# Altium PCB BLDC_DRIVER_1.2_AR.PcbDoc (part 2 of 3) (continued)
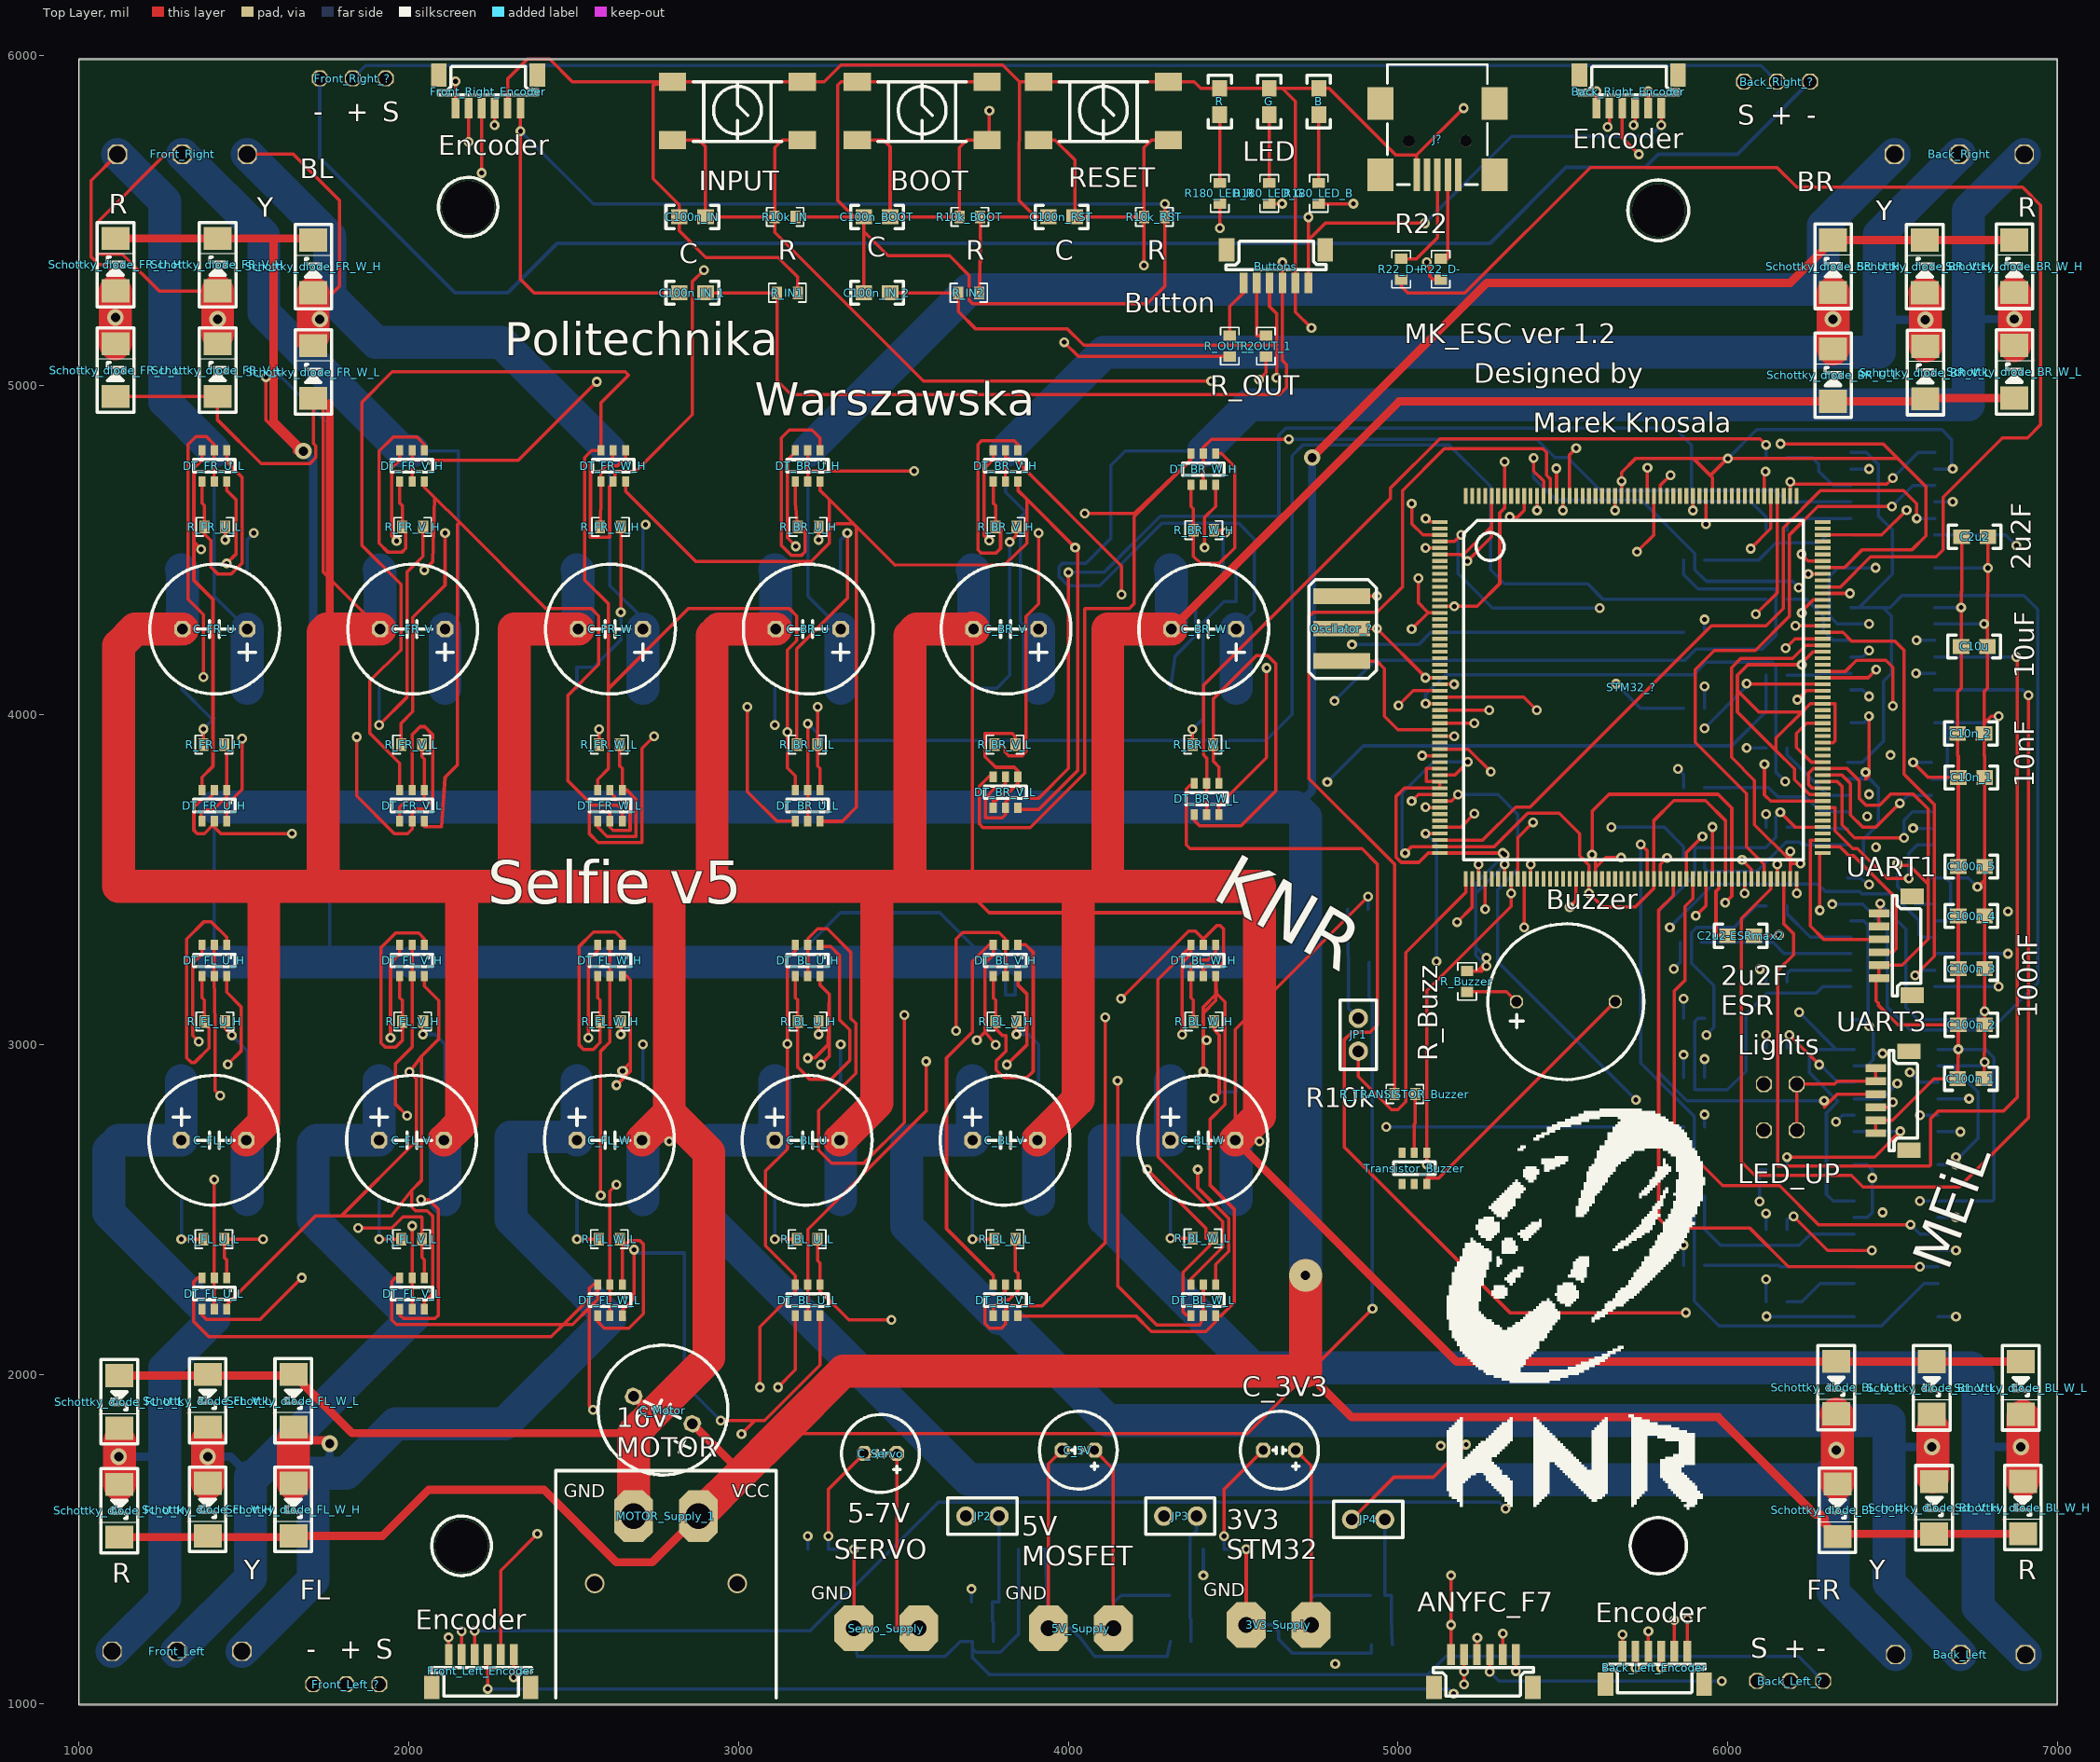
[diagram p0: Top Layer view]
## Nets (pads, with @x,y where several pads share a name; then routed paths per layer and width w, separated by ;. In a path a pad name is that pad's centre, name@x,y a point inside that pad or via, vN(x,y) a via of type N, cw(c..) or ccw(c..) an arc to the next point about the centre after c; other vN are vias at no path point) (continued)
  Signal Layer 2 w12: v1(6156,3332) 6304,3480 6304,4240 6294,4250 6294,4378 v1(6245,4427)
NetC2u2-ESRmax2_2: C2u2-ESRmax2.2 STM32_?.92 | length 204.9
  Top Layer w10: STM32_?.92@5973.62,3502.2 5973.62,3473.63 5964.99,3465 5964.99,3340 5974.99,3330 C2u2-ESRmax2.2@6000,3330
NetC100n_IN_1: C100n_IN.1 INPUT.1 INPUT.2 R10k_IN.1 STM32_?.48 | length 4156.2
  Top Layer w10: INPUT.2@2800,5742.83 2880,5742.83 2900,5722.83 C100n_IN.1@2900,5510 R10k_IN.1@3110,5510 ; INPUT.1@3193.7,5742.83 3132.83,5742.83 3110,5720 R10k_IN.1@3110,5510 ; v1(4434,5012) 3561,5012 3110,5463 R10k_IN.1@3110,5510 ; STM32_?.48@5127.17,3659.69 5191.69,3659.69 v1(5232,3700)
  Signal Layer 2 w12: v1(4434,5012) 4434,4700.29 5034.29,4100 5034.29,3979.71 5232,3782 v1(5232,3700)
NetC100n_RST_1: C100n_RST.1 R10k_RST.1 RESET.1 RESET.2 STM32_?.34 | length 2838.9
  Top Layer w10: RESET.2@3910,5742.83 3960,5742.83 4020,5682.83 C100n_RST.1@4020,5510 R10k_RST.1@4230,5510 ; v1(4230,5363) R10k_RST.1@4230,5510 ; RESET.1@4303.7,5742.83 4252.83,5742.83 4230,5720 R10k_RST.1@4230,5510 ; STM32_?.34@5127.17,3935.28 5170.72,3935.28 v1(5171,3935)
  Signal Layer 2 w12: v1(4230,5363) 4546,5047 4546,4701 5054.29,4192.71 5054.29,4018.71 5138,3935 v1(5171,3935)
NetC_FL_U_1: C_FL_U.1 Front_Left.1 MOSFET_FL_U_H.S MOSFET_FL_U_L.D Schottky_diode_FL_U_H.1 Schottky_diode_FL_U_L.2 | length 2524.1
  Top Layer w10: 1122.13,1796.57 1126,1796.57 1126,1836.57 Schottky_diode_FL_U_L.2@1122.13,1836.57
  Top Layer w100: Schottky_diode_FL_U_H.1@1122.13,1666.02 1122.13,1796.57
  Bottom Layer w25: v2(1120,1750) 1230,1750 1260,1720
  Bottom Layer w100: Front_Left.1@1100,1160 1260,1320 1260,1720 1260,2019.76 MOSFET_FL_U_L.D@1410,2169.76 1090,2489.76 1090,2680 1120,2710 C_FL_U.1@1310,2710 MOSFET_FL_U_H.S@1310,2890
NetC_FL_V_1: C_FL_V.1 Front_Left.2 MOSFET_FL_V_H.S MOSFET_FL_V_L.D Schottky_diode_FL_V_H.1 Schottky_diode_FL_V_L.2 | length 2683.2
  Top Layer w10: 1390,1800 1394,1800 1394,1840 Schottky_diode_FL_V_L.2@1390,1840
  Top Layer w100: Schottky_diode_FL_V_H.1@1390,1669.45 v2(1390,1750) 1390,1800
  Bottom Layer w25: v2(1390,1750) 1460,1750 1520,1690
  Bottom Layer w100: Front_Left.2@1296.85,1160 1520,1383.15 1520,1690 1530.24,1690 MOSFET_FL_V_L.D@2010,2169.76 1710,2469.76 1710,2700 1720,2710 C_FL_V.1@1910,2710 MOSFET_FL_V_H.S@1910,2890
NetC_FL_W_1: C_FL_W.1 Front_Left.3 MOSFET_FL_W_H.S MOSFET_FL_W_L.D Schottky_diode_FL_W_H.1 Schottky_diode_FL_W_L.2 | length 3308.8
  Top Layer w10: Schottky_diode_FL_W_H.1@1650,1669.45 1650,1800 Schottky_diode_FL_W_L.2@1650,1840
  Top Layer w25: 1650,1800 1750,1800 v2(1760,1790)
  Top Layer w100: Schottky_diode_FL_W_H.1@1650,1669.45 1650,1800
  Bottom Layer w25: 1710,1700 1760,1750 v2(1760,1790)
  Bottom Layer w100: Front_Left.3@1493.7,1160 1710,1376.3 1710,1700 1810,1700 1959.76,1849.76 2290,1849.76 MOSFET_FL_W_L.D@2610,2169.76 2310,2469.76 2310,2720 2500,2720 C_FL_W.1@2510,2710 MOSFET_FL_W_H.S@2510,2890
NetC_FR_U_1: C_FR_U.1 Front_Right.3 MOSFET_FR_U_H.S MOSFET_FR_U_L.D Schottky_diode_FR_U_H.1 Schottky_diode_FR_U_L.2 | length 2433.1
  Top Layer w10: Schottky_diode_FR_U_H.1@1110,5285.55 1110,5335 1079.67,5365.33 1060,5365.33 1036.48,5388.85 1036.48,5620.18 Front_Right.3@1116.3,5700
  Top Layer w100: Schottky_diode_FR_U_L.2@1110,5125 v2(1110,5205.28) Schottky_diode_FR_U_H.1@1110,5285.55
  Bottom Layer w10: MOSFET_FR_U_L.D@1410,4800.24 1410,4360 C_FR_U.1@1510,4260
  Bottom Layer w100: Front_Right.3@1116.3,5700 1260,5556.3 1260,4950.24 MOSFET_FR_U_L.D@1410,4800.24 ; MOSFET_FR_U_H.S@1510,4080 C_FR_U.1@1510,4260
NetC_FR_V_1: C_FR_V.1 Front_Right.2 MOSFET_FR_V_H.S MOSFET_FR_V_L.D Schottky_diode_FR_V_H.1 Schottky_diode_FR_V_L.2 | length 3103.6
  Top Layer w10: Front_Right.2@1313.15,5700 1261.44,5700 1054.48,5493.04 1054.48,5396.96 1131,5396.96 1242.41,5285.55 Schottky_diode_FR_V_H.1@1420,5285.55 ; Schottky_diode_FR_V_L.2@1420,5125 1424,5125 1424,5155 Schottky_diode_FR_V_L.2@1420,5155
  Top Layer w100: Schottky_diode_FR_V_L.2@1420,5155 v2(1420,5200) Schottky_diode_FR_V_H.1@1420,5285.55
  Bottom Layer w10: MOSFET_FR_V_L.D@2010,4800.24 2150,4800.24 2150,4300 C_FR_V.1@2110,4260
  Bottom Layer w100: Front_Right.2@1313.15,5700 1560,5453.15 1560,5220 1979.76,4800.24 MOSFET_FR_V_L.D@2010,4800.24 ; MOSFET_FR_V_H.S@2110,4080 C_FR_V.1@2110,4260
NetC_FR_W_1: C_FR_W.1 Front_Right.1 MOSFET_FR_W_H.S MOSFET_FR_W_L.D Schottky_diode_FR_W_H.1 Schottky_diode_FR_W_L.2 | length 3538.9
  Top Layer w10: Front_Right.1@1510,5700 1650,5700 1790,5560 1790,5300 1770,5280 Schottky_diode_FR_W_H.1@1710,5280 1710,5220 ; Schottky_diode_FR_W_L.2@1710,5119.45 1665.55,5119.45 1665.55,5155.55 1710,5200 1710,5220 ; v2(1730,5200) 1710,5220
  Top Layer w100: Schottky_diode_FR_W_L.2@1710,5149.45 1710,5200 Schottky_diode_FR_W_H.1@1710,5280 Schottky_diode_FR_W_L.2@1710,5149.45
  Bottom Layer w10: MOSFET_FR_W_L.D@2610,4800.24 2610,4392 2710,4292 C_FR_W.1@2710,4260
  Bottom Layer w100: Front_Right.1@1510,5700 1760,5450 1760,5270 1900,5130 2280.24,5130 MOSFET_FR_W_L.D@2610,4800.24 ; MOSFET_FR_W_H.S@2710,4080 C_FR_W.1@2710,4260
NetDT_BL_U_H_1: DT_BL_U_H.1 DT_BL_U_H.4 R_BL_U_H.1 | length 884
  Top Layer w10: DT_BL_U_H.4@3172.6,3207.72 3172.6,3142.4 3180,3135 R_BL_U_H.1@3180,3070 3180,2931 3217,2894 3280,2894 3338,2952 3338,3044 3306,3076 3306,3271 3280,3297 3247.4,3297 DT_BL_U_H.1@3247.4,3302.2
NetDT_BL_U_H_2: DT_BL_U_H.2 DT_BL_U_H.5 R_DT_BL_U_H.2 | length 4231.2
  Top Layer w10: DT_BL_U_H.5@3210,3207.72 DT_BL_U_H.2@3210,3302.2 3210,3321 3240,3351 3270,3351 3340,3281 3340,3080 3356,3064 3356,2913 3243,2800 3243,2680 3283,2640 3379.55,2640 3503,2763.45 v1(3503,3090)
  Signal Layer 1 w12: v1(3503,3090) 3554,3090 3631,3013 3689,3013 3689,3049 3752,3112 4025,3112 4083,3054 4312,3054 4317,3059 4360,3059 4387,3032 4387,2997 4400,2984 4809,2984 4856.53,2936.47 5834.47,2936.47 v1(5867,2969)
  Bottom Layer w10: R_DT_BL_U_H.2@5867,2900 v1(5867,2969)
NetDT_BL_U_L_1: DT_BL_U_L.1 DT_BL_U_L.4 R_BL_U_L.1 | length 1080.7
  Top Layer w10: v1(3120,1961) 3172.6,2013.6 DT_BL_U_L.4@3172.6,2177.72 ; R_BL_U_L.1@3240,2410 3240,2344.4 3247.4,2337 DT_BL_U_L.1@3247.4,2272.2 3247.4,2252 3334.4,2165 v1(3464,2165)
  Signal Layer 1 w12: v1(3120,1961) 3260,1961 v1(3464,2165)
NetDT_BL_U_L_2: DT_BL_U_L.2 DT_BL_U_L.5 R_DT_BL_U_L.2 | length 3583.6
  Top Layer w10: DT_BL_U_L.5@3210,2177.72 DT_BL_U_L.2@3210,2272.2 3210,2439 3569,2798 v1(3569,2949)
  Signal Layer 1 w12: v1(3569,2949) 3589,2969 4366,2969 4371,2964 4766,2964 4813.53,2916.47 6004.47,2916.47 v1(6117,3029)
  Bottom Layer w10: R_DT_BL_U_L.2@6117,2990 v1(6117,3029)
NetDT_BL_V_H_1: DT_BL_V_H.1 DT_BL_V_H.4 R_BL_V_H.1 | length 867.1
  Top Layer w10: DT_BL_V_H.4@3772.6,3207.72 3772.6,3142.4 3780,3135 R_BL_V_H.1@3780,3070 3780,3048 3800,3028 3811.5,3028 3811.5,2980 3782,2950.5 3782,2923 3805,2900 3875,2900 3894,2919 3894,3280 3871,3303 3847.4,3303 DT_BL_V_H.1@3847.4,3302.2
NetDT_BL_V_H_2: DT_BL_V_H.2 DT_BL_V_H.5 R_DT_BL_V_H.2 | length 3091.3
  Top Layer w10: v1(3660,3042) 3660,3320 3680,3340 3790,3340 3810,3320 DT_BL_V_H.2@3810,3302.2 DT_BL_V_H.5@3810,3207.72
  Signal Layer 1 w12: v1(3660,3042) 3660,3062 3898,3300 5848,3300 5867,3281 v1(5867,3139)
  Bottom Layer w10: R_DT_BL_V_H.2@5867,3080 v1(5867,3139)
NetDT_BL_V_L_1: DT_BL_V_L.1 DT_BL_V_L.4 R_BL_V_L.1 | length 279.2
  Top Layer w10: DT_BL_V_L.4@3772.6,2177.72 3772.6,2200 3798.05,2225.45 3820,2225.45 3847.4,2252.86 DT_BL_V_L.1@3847.4,2272.2 3847.4,2306.6 3840,2314 R_BL_V_L.1@3840,2410
NetDT_BL_V_L_2: DT_BL_V_L.2 DT_BL_V_L.5 R_DT_BL_V_L.2 | length 3489.5
  Top Layer w10: DT_BL_V_L.2@3810,2272.2 3810,2253.45 3800,2243.45 3760,2243.45 3748,2231.45 3748,2154 3762,2140 3798,2140 3810,2152 DT_BL_V_L.5@3810,2177.72 3810,2197 3820,2207 3920,2207 4112,2399 v1(4112,3083)
  Signal Layer 1 w12: v1(4112,3083) 4412,3083 4469,3140 5002,3140 5052,3090 5867,3090 6006,3229 v1(6098,3229)
  Bottom Layer w10: v1(6098,3229) 6117,3210 R_DT_BL_V_L.2@6117,3190
NetDT_BL_W_H_1: DT_BL_W_H.1 DT_BL_W_H.4 R_BL_W_H.1 | length 288.8
  Top Layer w10: R_BL_W_H.1@4380,3070 4380,3135 4372.6,3142.4 DT_BL_W_H.4@4372.6,3207.72 4372.6,3243.6 4386,3257 4424.4,3257 4447.4,3280 DT_BL_W_H.1@4447.4,3302.2
NetDT_BL_W_H_2: DT_BL_W_H.2 DT_BL_W_H.5 R_DT_BL_W_H.2 | length 2441.2
  Top Layer w10: v1(4160,3139) 4365,3344 4386,3344 4410,3320 ; DT_BL_W_H.5@4410,3207.72 4410,3229 4420,3239 4461,3239 4472,3250 4472,3350 4461,3361 4451,3361 4410,3320 ; DT_BL_W_H.2@4410,3302.2 4410,3320
  Signal Layer 1 w12: v1(4160,3139) 4212,3191 5798,3191 v1(5837,3230)
  Bottom Layer w10: v1(5837,3230) 5857,3250 R_DT_BL_W_H.2@5857,3310
NetDT_BL_W_L_1: DT_BL_W_L.1 DT_BL_W_L.4 R_BL_W_L.1 | length 1148
  Top Layer w10: v1(4240,2621) 4418,2443 4418,2412.28 R_BL_W_L.1@4428.83,2412.28 ; DT_BL_W_L.4@4372.6,2177.72 4372.6,2180 4358,2180 4348,2190 4348,2309.17 4428.83,2390 R_BL_W_L.1@4428.83,2412.28 ; v1(4393,2621) 4393,2566 4486.5,2472.5 4486.5,2372.5 4447.4,2333.4 DT_BL_W_L.1@4447.4,2272.2 ; R_BL_W_L.1@4440,2412.28 R_BL_W_L.1@4428.83,2412.28
  Signal Layer 1 w12: v1(4240,2621) v1(4393,2621)
NetDT_BL_W_L_2: DT_BL_W_L.2 DT_BL_W_L.5 R_DT_BL_W_L.2 | length 3964.5
  Top Layer w10: v1(4150,2890) 4150,2267.97 4269,2148.97 4400,2148.97 DT_BL_W_L.5@4410,2177.72 DT_BL_W_L.2@4410,2272.2
  Signal Layer 1 w12: v1(4150,2890) 6033,2890 6146,3003 6146,3042 6130,3058 6100,3058 6071,3029 v1(5936,3029)
  Bottom Layer w10: v1(5936,3029) 5959,3052 5959,3179 5891,3247 5891,3340 5906,3355 6020,3355 6085,3420 R_DT_BL_W_L.2@6117,3420
NetDT_BR_U_H_1: DT_BR_U_H.1 DT_BR_U_H.4 R_BR_U_H.1 | length 826
  Top Layer w10: DT_BR_U_H.4@3172.6,4707.72 3172.6,4642.4 R_BR_U_H.1@3180,4570 3202,4570 3202,4495 3190,4483 3161,4483 3130,4514 3130,4840 3154,4864 3223.4,4864 3247.4,4840 DT_BR_U_H.1@3247.4,4802.2
NetDT_BR_U_H_2: DT_BR_U_H.2 DT_BR_U_H.5 R_DT_BR_U_H.2 | length 2988.8
  Top Layer w10: DT_BR_U_H.5@3210,4707.72 3210,4729 ; DT_BR_U_H.2@3210,4802.2 3210,4729 ; v1(3533,4739) 3220,4739 3210,4729
  Signal Layer 2 w12: v1(3533,4739) 4335,4739 v1(4861,4213)
  Bottom Layer w10: v1(4861,4213) 5063,4213 5100,4250 R_DT_BR_U_H.2@5867,4250
NetDT_BR_U_L_1: DT_BR_U_L.1 DT_BR_U_L.4 R_BR_U_L.1 | length 907.4
  Top Layer w10: v1(3027,4024) 3027,3767 3116.28,3677.72 DT_BR_U_L.4@3172.6,3677.72 ; v1(3240,4024) R_BR_U_L.1@3240,3910 3240,3844.4 3247.4,3837 DT_BR_U_L.1@3247.4,3772.2
  Signal Layer 1 w12: v1(3027,4024) v1(3240,4024)
NetDT_BR_U_L_2: DT_BR_U_L.2 DT_BR_U_L.5 R_DT_BR_U_L.2 | length 4396.4
  Top Layer w10: DT_BR_U_L.5@3210,3677.72 DT_BR_U_L.2@3210,3772.2 v1(3210,3973)
  Bottom Layer w10: v1(3210,3973) 3261,3922 4600,3922 4679,4001 4679,4786 4711,4818 5156,4818 5281,4693 5281,4440 5324,4397 5576,4397 5623,4350 R_DT_BR_U_L.2@6117,4350
NetDT_BR_V_H_1: DT_BR_V_H.1 DT_BR_V_H.4 R_BR_V_H.1 | length 771.3
  Top Layer w10: DT_BR_V_H.4@3772.6,4707.72 3772.6,4642.4 3780,4635 R_BR_V_H.1@3780,4570 3797,4570 3797,4559 3795,4557 3795,4505 3780,4490 3736,4490 3726,4500 3726,4820 3737,4831 3836.4,4831 3847.4,4820 DT_BR_V_H.1@3847.4,4802.2
NetDT_BR_V_H_2: DT_BR_V_H.2 DT_BR_V_H.5 R_DT_BR_V_H.2 | length 3472.7
  Top Layer w10: DT_BR_V_H.5@3810,4707.72 3810,4780 ; DT_BR_V_H.2@3810,4802.2 3810,4780 ; v1(4162,4365) 4162,4451 3843,4770 3810,4780
  Signal Layer 2 w12: v1(4162,4365) 4162,4154 4274,4042 v1(4808,4042)
  Bottom Layer w10: v1(4808,4042) 4932,4166 5871,4166 5904,4199 6105,4199 6146,4240 6146,4382 5911,4382 5867,4426 R_DT_BR_V_H.2@5867,4470
NetDT_BR_V_L_1: DT_BR_V_L.1 DT_BR_V_L.4 R_BR_V_L.1 | length 465.1
  Top Layer w10: DT_BR_V_L.4@3772.6,3717.72 3772.6,3740 3781.11,3740 3805.57,3764.47 3820,3764.47 3847.4,3791.87 DT_BR_V_L.1@3847.4,3812.2 3847.4,3830 3836.4,3841 3780,3841 3748,3873 3748,3944 3830,3944 3840,3934 R_BR_V_L.1@3840,3910
NetDT_BR_V_L_2: DT_BR_V_L.2 DT_BR_V_L.5 R_DT_BR_V_L.2 | length 3783.2
  Top Layer w10: DT_BR_V_L.2@3810,3812.2 3810,3792 3800,3782 3782,3782 3748.77,3748.77 3748.77,3688 3800,3688 3810,3698 DT_BR_V_L.5@3810,3717.72 3810,3736 3820.47,3746.47 3910,3746.47 4001,3837.47 v1(4001,4432)
  Bottom Layer w10: v1(4001,4432) 4109,4432 4279,4602 4639,4602 4639,4848 4660,4869 5840,4869 5891,4818 5891,4648 6069,4648 6117,4600 R_DT_BR_V_L.2@6117,4560
NetDT_BR_W_H_1: DT_BR_W_H.1 DT_BR_W_H.4 R_BR_W_H.1 | length 694.6
  Top Layer w10: DT_BR_W_H.4@4372.6,4697.72 4372.6,4632.4 4380,4625 R_BR_W_H.1@4380,4560 4380,4481 4402,4459 4457.83,4459 4505,4506.17 4505,4752 4464,4793 4447.4,4793 DT_BR_W_H.1@4447.4,4792.2
NetDT_BR_W_H_2: DT_BR_W_H.2 DT_BR_W_H.5 R_DT_BR_W_H.2 | length 1635.3
  Top Layer w10: DT_BR_W_H.5@4410,4697.72 DT_BR_W_H.2@4410,4792.2 4410,4811 4435,4836 v1(4669,4836)
  Bottom Layer w10: v1(4669,4836) 5421.24,4836 5476.74,4780.5 5514.5,4780.5 5615,4680 R_DT_BR_W_H.2@5857,4680
NetDT_BR_W_L_1: DT_BR_W_L.1 DT_BR_W_L.4 R_BR_W_L.1 | length 1220.7
  Top Layer w10: DT_BR_W_L.4@4382.6,3697.72 4382.6,3680 4399.6,3663 4524,3663 4630,3769 4630,4155 4605,4180 4571,4180 4440,4049 R_BR_W_L.1@4440,3910 4440,3859.4 4457.4,3842 DT_BR_W_L.1@4457.4,3792.2
NetDT_BR_W_L_2: DT_BR_W_L.2 DT_BR_W_L.5 R_DT_BR_W_L.2 | length 2476
  Top Layer w10: DT_BR_W_L.5@4420,3697.72 DT_BR_W_L.2@4420,3792.2 4420,3869 4411,3878 4411,4090 4977,4656 4977,4687 5127,4837 6099,4837 v1(6117,4819)
  Bottom Layer w10: R_DT_BR_W_L.2@6117,4780 v1(6117,4819)
NetDT_FL_U_H_1: DT_FL_U_H.1 DT_FL_U_H.4 R_FL_U_H.1 | length 865.6
  Top Layer w10: DT_FL_U_H.4@1372.6,3207.72 1372.6,3142.4 1380,3135 R_FL_U_H.1@1380,3070 1380,3064 1394,3050 1394,2989 1351,2946 1340,2946 1326,2960 1326,3320 1379,3373 1400,3373 1447.4,3325.6 DT_FL_U_H.1@1447.4,3302.2
NetDT_FL_U_H_2: DT_FL_U_H.2 DT_FL_U_H.5 R_DT_FL_U_H.2 | length 5878.6
  Top Layer w10: DT_FL_U_H.2@1410,3302.2 DT_FL_U_H.5@1410,3207.72 1412,3057.5 1412,2861.06 v1(1428.06,2845)
  Signal Layer 1 w12: v1(1428.06,2845) 4339,2845 4364,2870 5640,2870 5815,2695 6217,2695 6249,2663 6249,2420 v1(6117,2288)
  Bottom Layer w10: R_DT_FL_U_H.2@6117,2220 v1(6117,2288)
NetDT_FL_U_L_1: DT_FL_U_L.1 DT_FL_U_L.4 R_FL_U_L.1 | length 782.8
  Top Layer w10: DT_FL_U_L.4@1372.6,2197.72 1372.6,2180 1386.6,2166 1548,2166 v1(1675,2293) ; DT_FL_U_L.1@1447.4,2292.2 1447.4,2347 1440,2354.4 R_FL_U_L.1@1440,2410 v1(1558,2410)
  Signal Layer 1 w12: v1(1558,2410) v1(1675,2293)
NetDT_FL_U_L_2: DT_FL_U_L.2 DT_FL_U_L.5 R_DT_FL_U_L.2 | length 5966
  Top Layer w10: DT_FL_U_L.5@1410,2197.72 DT_FL_U_L.2@1410,2292.2 v1(1410,2591)
  Signal Layer 1 w12: v1(1410,2591) 1607,2591 1830,2814 4414,2808 5447,2808 5590,2665 6125,2665 6229,2561 6229,2450 6171,2392 v1(5867,2392)
  Bottom Layer w10: R_DT_FL_U_L.2@5867,2330 v1(5867,2392)
NetDT_FL_V_H_1: DT_FL_V_H.1 DT_FL_V_H.4 R_FL_V_H.1 | length 740.7
  Top Layer w10: DT_FL_V_H.4@1972.6,3207.72 1972.6,3142.4 1980,3135 R_FL_V_H.1@1980,3070 1980,3012 1960,2992 1929,2992 1916,3005 1916,3294 1960,3338 2030,3338 2047.4,3320.6 DT_FL_V_H.1@2047.4,3302.2
NetDT_FL_V_H_2: DT_FL_V_H.2 DT_FL_V_H.5 R_DT_FL_V_H.2 | length 4890.8
  Top Layer w10: v1(1995,2784) 1960,2819 1960,2943 2010,2993 DT_FL_V_H.5@2010,3207.72 DT_FL_V_H.2@2010,3302.2
  Signal Layer 1 w12: v1(1995,2784) 5024,2784 5255,2553 6110,2553 6130,2533 6130,2501 v1(6117,2488)
  Bottom Layer w10: R_DT_FL_V_H.2@6117,2440 v1(6117,2488)
NetDT_FL_V_L_1: DT_FL_V_L.1 DT_FL_V_L.4 R_FL_V_L.1 | length 1152.7
  Top Layer w10: v1(1846,2444) 1948,2444 1982,2478 2038,2478 2040,2476 R_FL_V_L.1@2040,2410 2040,2354.4 2047.4,2347 DT_FL_V_L.1@2047.4,2292.2 ; DT_FL_V_L.4@1972.6,2197.72 1972.6,2180 1983.63,2168.97 2079.97,2168.97 2090,2179 2090,2500 2060,2530 v1(2037,2530)
  Signal Layer 1 w12: v1(1846,2444) 1932,2530 v1(2037,2530)
NetDT_FL_V_L_2: DT_FL_V_L.2 DT_FL_V_L.5 R_DT_FL_V_L.2 | length 4880
  Top Layer w10: DT_FL_V_L.5@2010,2197.72 DT_FL_V_L.2@2010,2292.2 v1(2010,2450)
  Signal Layer 1 w12: v1(2010,2450) 6136,2450 6166,2480 6166,2547 6105,2608 v1(5867,2608)
  Bottom Layer w10: R_DT_FL_V_L.2@5867,2540 v1(5867,2608)
NetDT_FL_W_H_1: DT_FL_W_H.1 DT_FL_W_H.4 R_FL_W_H.1 | length 755.8
  Top Layer w10: DT_FL_W_H.4@2572.6,3207.72 2572.6,3142.4 2580,3135 R_FL_W_H.1@2580,3070 2580,3006.14 2559.33,2985.47 2530,2985.47 2517,2998.47 2517,3298 2560,3341 2626.4,3341 2647.4,3320 DT_FL_W_H.1@2647.4,3302.2
NetDT_FL_W_H_2: DT_FL_W_H.2 DT_FL_W_H.5 R_DT_FL_W_H.2 | length 4451.1
  Top Layer w10: v1(2582,2543) 2582,2980 2610,3008 DT_FL_W_H.5@2610,3207.72 DT_FL_W_H.2@2610,3302.2
  Signal Layer 1 w12: v1(2582,2543) 2651,2474 6047,2474 v1(6097,2524)
  Bottom Layer w10: v1(6097,2524) 6097,2620 R_DT_FL_W_H.2@6117,2620
NetDT_FL_W_L_1: DT_FL_W_L.1 DT_FL_W_L.4 R_FL_W_L.1 | length 606.7
  Top Layer w10: DT_FL_W_L.4@2572.6,2177.72 2572.6,2160 2592.6,2140 2667.46,2140 2711,2183.54 2711,2395 2700,2406 2670,2406 2657,2393 ; R_FL_W_L.1@2640,2410 2657,2393 ; DT_FL_W_L.1@2647.4,2272.2 2647.4,2383.4 2657,2393
NetDT_FL_W_L_2: DT_FL_W_L.2 DT_FL_W_L.5 R_DT_FL_W_L.2 | length 3715.1
  Top Layer w10: DT_FL_W_L.5@2610,2177.72 DT_FL_W_L.2@2610,2272.2 2610,2555 v1(2630,2575)
  Signal Layer 1 w12: v1(2630,2575) 4790,2575 v1(4965,2750)
  Bottom Layer w10: v1(4965,2750) R_DT_FL_W_L.2@5867,2750
NetDT_FR_U_H_1: DT_FR_U_H.1 DT_FR_U_H.4 R_FR_U_H.1 | length 282.7
  Top Layer w10: DT_FR_U_H.4@1372.6,3677.72 1370.31,3680 1370.31,3700 1381.64,3711.33 1406.33,3711.33 1447.4,3752.4 DT_FR_U_H.1@1447.4,3772.2 1447.4,3902.6 R_FR_U_H.1@1440,3910
NetDT_FR_U_H_2: DT_FR_U_H.2 DT_FR_U_H.5 R_DT_FR_U_H.2 | length 4966.3
  Top Layer w10: DT_FR_U_H.5@1410,3677.72 DT_FR_U_H.5@1410,3670.16 ; DT_FR_U_H.2@1410,3772.2 1410,3770 1410,3763 1390,3743 1371,3743 1348,3720 1348,3650 1358,3640 1379.84,3640 DT_FR_U_H.5@1410,3670.16 ; v1(1646,3640) 1430,3640 1410,3660 DT_FR_U_H.5@1410,3670.16
  Signal Layer 1 w12: v1(1646,3640) 1776,3510 5611,3510 5648,3547 v1(5648,3659)
  Bottom Layer w10: v1(5648,3659) 5808,3659 5867,3600 R_DT_FR_U_H.2@5867,3560
NetDT_FR_U_L_1: DT_FR_U_L.1 DT_FR_U_L.4 R_FR_U_L.1 | length 748.7
  Top Layer w10: DT_FR_U_L.4@1372.6,4707.72 1372.6,4642.4 1380,4635 R_FR_U_L.1@1380,4570 1380,4548.5 1399.5,4529 1399.5,4448.07 1420,4427.57 1461.57,4427.57 1494,4460 1494,4720.4 1447.4,4767 DT_FR_U_L.1@1447.4,4802.2
NetDT_FR_U_L_2: DT_FR_U_L.2 DT_FR_U_L.5 R_DT_FR_U_L.2 | length 6001.6
  Top Layer w10: v1(1377,4114.61) 1377,4304 1330,4351 1330,4820 1354,4844 1386,4844 1410,4820 DT_FR_U_L.2@1410,4802.2 DT_FR_U_L.5@1410,4707.72
  Signal Layer 1 w12: v1(1377,4114.61) 1798.61,3693 4973,3693 5075,3591 5199,3591 5335.92,3727.92 6088.08,3727.92 v1(6117,3699)
  Bottom Layer w10: R_DT_FR_U_L.2@6117,3660 v1(6117,3699)
NetDT_FR_V_H_1: DT_FR_V_H.1 DT_FR_V_H.4 R_FR_V_H.1 | length 774.8
  Top Layer w10: DT_FR_V_H.4@1972.6,4707.72 1972.6,4642.4 1980,4635 R_FR_V_H.1@1980,4570 1991,4570 1991,4505 1980,4494 1936,4494 1910,4520 1910,4800 1952,4842 2025.4,4842 2047.4,4820 DT_FR_V_H.1@2047.4,4802.2
NetDT_FR_V_H_2: DT_FR_V_H.2 DT_FR_V_H.5 R_DT_FR_V_H.2 | length 4632.9
  Top Layer w10: DT_FR_V_H.5@2010,4707.72 2010,4782 ; DT_FR_V_H.2@2010,4802.2 2010,4782 ; v1(2570,5010) 2332,4772 2020,4772 2010,4782
  Signal Layer 1 w12: v1(2570,5010) 3182,4398 4269,4398 4821,3846 5105,3846 5161,3902 5784,3902 v1(5850,3836)
  Bottom Layer w10: v1(5850,3836) 5867,3819 R_DT_FR_V_H.2@5867,3780
NetDT_FR_V_L_1: DT_FR_V_L.1 DT_FR_V_L.4 R_FR_V_L.1 | length 296.7
  Top Layer w10: DT_FR_V_L.4@1972.6,3677.72 1972.6,3720 1995.6,3743 2047.4,3743 DT_FR_V_L.1@2047.4,3772.2 2047.4,3865.4 2040,3872.8 R_FR_V_L.1@2040,3910
NetDT_FR_V_L_2: DT_FR_V_L.2 DT_FR_V_L.5 R_DT_FR_V_L.2 | length 5376
  Top Layer w10: v1(1842,3933) 1842,3754 1956,3640 1996,3640 2010,3654 DT_FR_V_L.5@2010,3677.72 2010,3705 2020,3715 2047,3715 2072,3740 2072,3940 2048,3964 2034,3964 2010,3940 DT_FR_V_L.2@2010,3772.2
  Signal Layer 1 w12: v1(1842,3933) 2008,3767 5109,3767 5130,3788 5946,3788 v1(6058,3900)
  Bottom Layer w10: v1(6058,3900) R_DT_FR_V_L.2@6117,3900
NetDT_FR_W_H_1: DT_FR_W_H.1 DT_FR_W_H.4 R_FR_W_H.1 | length 283.6
  Top Layer w10: R_FR_W_H.1@2580,4570 2582.6,4639.6 DT_FR_W_H.4@2582.6,4707.72 2582.6,4740 2598.05,4755.45 2632.86,4755.45 2657.4,4780 DT_FR_W_H.1@2657.4,4802.2
NetDT_FR_W_H_2: DT_FR_W_H.2 DT_FR_W_H.5 R_DT_FR_W_H.2 | length 4931.4
  Top Layer w10: DT_FR_W_H.2@2620,4802.2 2620,4783.45 2610,4773.45 2564.45,4773.45 2551,4760 2551,4538 2609,4538 2609,4692 2620,4703 DT_FR_W_H.5@2620,4707.72 2628.45,4737.45 2687.45,4737.45 2860,4910 2860,5314 v1(2895,5349)
  Signal Layer 1 w12: v1(2895,5349) 4070,5349 4186,5233 4582,5233 5136,4679 5136,4560 5200,4496 5260,4496 v1(5662,4094)
  Bottom Layer w10: v1(5662,4094) 5736,4020 R_DT_FR_W_H.2@5867,4020
NetDT_FR_W_L_1: DT_FR_W_L.1 DT_FR_W_L.4 R_FR_W_L.1 | length 454
  Top Layer w10: DT_FR_W_L.4@2572.6,3677.72 2572.6,3660 2601.63,3630.97 2689.23,3630.97 2689.23,3743.77 2660,3773 DT_FR_W_L.1@2647.4,3773 ; R_FR_W_L.1@2640,3910 2640,3844.4 2647.4,3837 DT_FR_W_L.1@2647.4,3773 ; DT_FR_W_L.1@2647.4,3772.2 DT_FR_W_L.1@2647.4,3773
NetDT_FR_W_L_2: DT_FR_W_L.2 DT_FR_W_L.5 R_DT_FR_W_L.2 | length 4570.5
  Top Layer w10: DT_FR_W_L.2@2610,3772.2 2610,3767 2624,3753 2624,3743.45 2643.55,3743.45 2671.23,3715.77 2671.23,3648.97 2620,3648.97 2610,3658.97 DT_FR_W_L.5@2610,3677.72 2610,3699 2601.55,3707.45 2548,3707.45 2548,3639 2574.03,3612.97 2707.23,3612.97 2707.23,3898.23 v1(2744,3935)
  Signal Layer 1 w12: v1(2744,3935) 2744,3876 2824,3796 v1(4786,3796)
  Bottom Layer w10: v1(4786,3796) 4896,3906 6013,3906 6117,4010 R_DT_FR_W_L.2@6117,4120
NetFront_Left_?_3: Front_Left_?.3 STM32_?.27 | length 5096.4
  Top Layer w10: v1(5002,4028) 5047.07,4073.07 STM32_?.27@5127.17,4073.07
  Signal Layer 2 w12: Front_Left_?.3@1920,1060 Front_Left_?.3@1910,1060 2160,1310 2330,1310 2330,1783 2991,2444 3219.05,2444 3591.05,2816 4377.38,2816 4866,3304.62 4866,3892 v1(5002,4028)
NetFront_Left_Encoder_3: Front_Left_Encoder.3 STM32_?.173 | length 6993.4
  Top Layer w10: Front_Left_Encoder.3@2199.92,1150.39 2199.92,1221.92 v1(2200,1222) ; v1(5894.88,4620) STM32_?.173@5894.88,4663.62
  Signal Layer 2 w12: v1(5327,1593) 5327,2884 5706,3263 5706,4152 5785.77,4231.77 5785.77,4734.77 5807,4756 5890,4756 v1(5894.88,4620)
  Bottom Layer w10: v1(2200,1222) 3217,1222 3608,1613 5307,1613 v1(5327,1593)
NetFront_Left_Encoder_4: Front_Left_Encoder.4 STM32_?.178 | length 7506.8
  Top Layer w10: v1(2239.29,1046) Front_Left_Encoder.4@2239.29,1150.39 ; STM32_?.178@5796.46,4663.62 5796.46,4696.46 v1(5827,4727)
  Signal Layer 2 w12: v1(5169,1031) 5437.56,1031 5575.56,1169 5760,1169 5789,1198 5789,1241 5600,1430 5600,1570 5656,1626 5656,2961 5750.07,3055.07 5750.07,3421.56 5767,3438.49 5767,4069 5806,4108 5806,4706 v1(5827,4727)
  Bottom Layer w10: v1(2239.29,1046) 5154,1046 v1(5169,1031)
NetFront_Left_Encoder_5: Front_Left_Encoder.5 STM32_?.180 | length 5778.5
  Top Layer w10: Front_Left_Encoder.5@2278.66,1150.39 2278.66,1404.66 v1(2390,1516) ; v1(5757,4749) 5757.09,4748.91 STM32_?.180@5757.09,4663.62
  Signal Layer 2 w12: v1(2390,1516) 3644,2770 4760,2770 4992.97,3002.97 4992.97,3405.97 5311,3724 5311,4160 5757,4606 v1(5757,4749)
NetFront_Left_Encoder_6: Front_Left_Encoder.6 STM32_?.179 | length 6532.8
  Top Layer w10: v1(2318.03,1081) Front_Left_Encoder.6@2318.03,1150.39 ; v1(5725,4494.37) 5776.77,4546.14 STM32_?.179@5776.77,4663.62
  Signal Layer 1 w12: v1(2318.03,1081) 2333.03,1066 4754,1066 v1(4810,1122)
  Signal Layer 2 w12: v1(4810,1122) 5049,1361 5049,3295 5274,3520 5274,3655 5373,3754 5373,4142.37 v1(5725,4494.37)
NetFront_Right_?_3: Front_Right_?.3 STM32_?.199 | length 4206
  Top Layer w10: v1(5339.07,4600) 5363.07,4600 5383.07,4620 STM32_?.199@5383.07,4663.62
  Signal Layer 1 w12: Front_Right_?.3@1930,5930 1972,5972 4164,5972 5275,4861 5275,4664.07 v1(5339.07,4600)
NetFront_Right_Encoder_3: Front_Right_Encoder.3 STM32_?.36 | length 4630.7
  Top Layer w10: v1(2260,5788) 2260.08,5788.08 Front_Right_Encoder.3@2260.08,5839.61 ; STM32_?.36@5127.17,3895.91 5214.09,3895.91 v1(5282,3828)
  Signal Layer 1 w12: v1(2260,5788) 2154,5788 2086,5720 2086,5411 3461,4036 4601.85,4036 4850,3787.85 5094.85,3787.85 5135,3828 v1(5282,3828)
NetFront_Right_Encoder_4: Front_Right_Encoder.4 STM32_?.37 | length 3874.4
  Top Layer w10: v1(2220.71,5643.29) Front_Right_Encoder.4@2220.71,5839.61 ; v1(5074,3876.22) STM32_?.37@5127.17,3876.22
  Signal Layer 1 w12: v1(2220.71,5643.29) 2613,5251 3767,5251 4447.5,4570.5 4447.5,4502.72 v1(5074,3876.22)